# KiCad board demomatrix.kicad_pcb (continued)
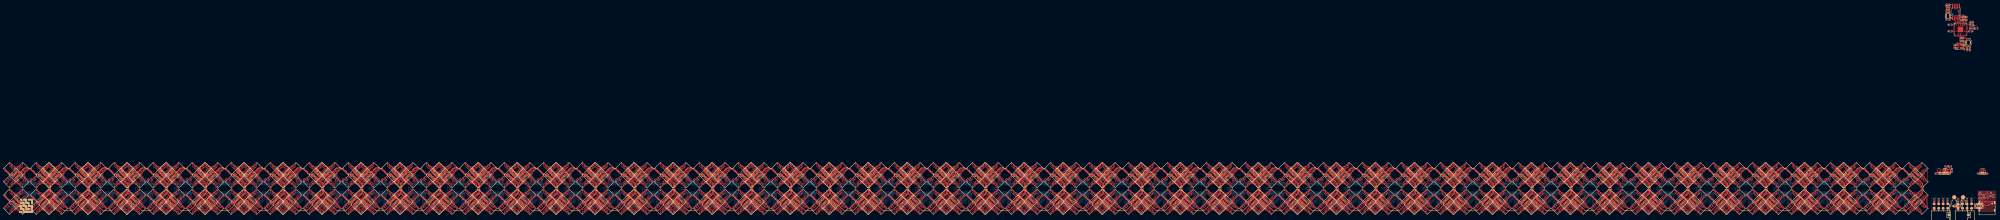
[diagram p0: board, top side]
## Library data of the parts (continued)
LED696 = -: LCSC: C22470444; Manufacturer: HONGLITRONIC); Partnumber: HL-5050RGBW-S1-A27; atopile_address: clusters[43].rows[0].pixels[1].rgbs[3].rgbw.package; atopile_subaddresses: [elec/layout/cluster2x2/cluster2x2.kicad_pcb:rows[0].pixels[1].rgbs[3].rgbw.package, elec/layout/pixel15hl5050/pixel15hl5050.kicad_pcb:rgbs[3].rgbw.package, elec/layout/row2/row2.kicad_pcb:pixels[1].rgbs[3].rgbw.package]
LED697 = -: LCSC: C22470444; Manufacturer: HONGLITRONIC); Partnumber: HL-5050RGBW-S1-A27; atopile_address: clusters[43].rows[1].pixels[0].rgbs[0].rgbw.package; atopile_subaddresses: [elec/layout/cluster2x2/cluster2x2.kicad_pcb:rows[1].pixels[0].rgbs[0].rgbw.package, elec/layout/pixel15hl5050/pixel15hl5050.kicad_pcb:rgbs[0].rgbw.package, elec/layout/row2/row2.kicad_pcb:pixels[0].rgbs[0].rgbw.package]
LED698 = -: LCSC: C22470444; Manufacturer: HONGLITRONIC); Partnumber: HL-5050RGBW-S1-A27; atopile_address: clusters[43].rows[1].pixels[0].rgbs[1].rgbw.package; atopile_subaddresses: [elec/layout/cluster2x2/cluster2x2.kicad_pcb:rows[1].pixels[0].rgbs[1].rgbw.package, elec/layout/pixel15hl5050/pixel15hl5050.kicad_pcb:rgbs[1].rgbw.package, elec/layout/row2/row2.kicad_pcb:pixels[0].rgbs[1].rgbw.package]
LED699 = -: LCSC: C22470444; Manufacturer: HONGLITRONIC); Partnumber: HL-5050RGBW-S1-A27; atopile_address: clusters[43].rows[1].pixels[0].rgbs[2].rgbw.package; atopile_subaddresses: [elec/layout/cluster2x2/cluster2x2.kicad_pcb:rows[1].pixels[0].rgbs[2].rgbw.package, elec/layout/pixel15hl5050/pixel15hl5050.kicad_pcb:rgbs[2].rgbw.package, elec/layout/row2/row2.kicad_pcb:pixels[0].rgbs[2].rgbw.package]
LED700 = -: LCSC: C22470444; Manufacturer: HONGLITRONIC); Partnumber: HL-5050RGBW-S1-A27; atopile_address: clusters[43].rows[1].pixels[0].rgbs[3].rgbw.package; atopile_subaddresses: [elec/layout/cluster2x2/cluster2x2.kicad_pcb:rows[1].pixels[0].rgbs[3].rgbw.package, elec/layout/pixel15hl5050/pixel15hl5050.kicad_pcb:rgbs[3].rgbw.package, elec/layout/row2/row2.kicad_pcb:pixels[0].rgbs[3].rgbw.package]
LED701 = -: LCSC: C22470444; Manufacturer: HONGLITRONIC); Partnumber: HL-5050RGBW-S1-A27; atopile_address: clusters[43].rows[1].pixels[1].rgbs[0].rgbw.package; atopile_subaddresses: [elec/layout/cluster2x2/cluster2x2.kicad_pcb:rows[1].pixels[1].rgbs[0].rgbw.package, elec/layout/pixel15hl5050/pixel15hl5050.kicad_pcb:rgbs[0].rgbw.package, elec/layout/row2/row2.kicad_pcb:pixels[1].rgbs[0].rgbw.package]
LED702 = -: LCSC: C22470444; Manufacturer: HONGLITRONIC); Partnumber: HL-5050RGBW-S1-A27; atopile_address: clusters[43].rows[1].pixels[1].rgbs[1].rgbw.package; atopile_subaddresses: [elec/layout/cluster2x2/cluster2x2.kicad_pcb:rows[1].pixels[1].rgbs[1].rgbw.package, elec/layout/pixel15hl5050/pixel15hl5050.kicad_pcb:rgbs[1].rgbw.package, elec/layout/row2/row2.kicad_pcb:pixels[1].rgbs[1].rgbw.package]
LED703 = -: LCSC: C22470444; Manufacturer: HONGLITRONIC); Partnumber: HL-5050RGBW-S1-A27; atopile_address: clusters[43].rows[1].pixels[1].rgbs[2].rgbw.package; atopile_subaddresses: [elec/layout/cluster2x2/cluster2x2.kicad_pcb:rows[1].pixels[1].rgbs[2].rgbw.package, elec/layout/pixel15hl5050/pixel15hl5050.kicad_pcb:rgbs[2].rgbw.package, elec/layout/row2/row2.kicad_pcb:pixels[1].rgbs[2].rgbw.package]
LED704 = -: LCSC: C22470444; Manufacturer: HONGLITRONIC); Partnumber: HL-5050RGBW-S1-A27; atopile_address: clusters[43].rows[1].pixels[1].rgbs[3].rgbw.package; atopile_subaddresses: [elec/layout/cluster2x2/cluster2x2.kicad_pcb:rows[1].pixels[1].rgbs[3].rgbw.package, elec/layout/pixel15hl5050/pixel15hl5050.kicad_pcb:rgbs[3].rgbw.package, elec/layout/row2/row2.kicad_pcb:pixels[1].rgbs[3].rgbw.package]
LED705 = -: LCSC: C22470444; Manufacturer: HONGLITRONIC); Partnumber: HL-5050RGBW-S1-A27; atopile_address: clusters[44].rows[0].pixels[0].rgbs[0].rgbw.package; atopile_subaddresses: [elec/layout/cluster2x2/cluster2x2.kicad_pcb:rows[0].pixels[0].rgbs[0].rgbw.package, elec/layout/pixel15hl5050/pixel15hl5050.kicad_pcb:rgbs[0].rgbw.package, elec/layout/row2/row2.kicad_pcb:pixels[0].rgbs[0].rgbw.package]
LED706 = -: LCSC: C22470444; Manufacturer: HONGLITRONIC); Partnumber: HL-5050RGBW-S1-A27; atopile_address: clusters[44].rows[0].pixels[0].rgbs[1].rgbw.package; atopile_subaddresses: [elec/layout/cluster2x2/cluster2x2.kicad_pcb:rows[0].pixels[0].rgbs[1].rgbw.package, elec/layout/pixel15hl5050/pixel15hl5050.kicad_pcb:rgbs[1].rgbw.package, elec/layout/row2/row2.kicad_pcb:pixels[0].rgbs[1].rgbw.package]
LED707 = -: LCSC: C22470444; Manufacturer: HONGLITRONIC); Partnumber: HL-5050RGBW-S1-A27; atopile_address: clusters[44].rows[0].pixels[0].rgbs[2].rgbw.package; atopile_subaddresses: [elec/layout/cluster2x2/cluster2x2.kicad_pcb:rows[0].pixels[0].rgbs[2].rgbw.package, elec/layout/pixel15hl5050/pixel15hl5050.kicad_pcb:rgbs[2].rgbw.package, elec/layout/row2/row2.kicad_pcb:pixels[0].rgbs[2].rgbw.package]
LED708 = -: LCSC: C22470444; Manufacturer: HONGLITRONIC); Partnumber: HL-5050RGBW-S1-A27; atopile_address: clusters[44].rows[0].pixels[0].rgbs[3].rgbw.package; atopile_subaddresses: [elec/layout/cluster2x2/cluster2x2.kicad_pcb:rows[0].pixels[0].rgbs[3].rgbw.package, elec/layout/pixel15hl5050/pixel15hl5050.kicad_pcb:rgbs[3].rgbw.package, elec/layout/row2/row2.kicad_pcb:pixels[0].rgbs[3].rgbw.package]
LED709 = -: LCSC: C22470444; Manufacturer: HONGLITRONIC); Partnumber: HL-5050RGBW-S1-A27; atopile_address: clusters[44].rows[0].pixels[1].rgbs[0].rgbw.package; atopile_subaddresses: [elec/layout/cluster2x2/cluster2x2.kicad_pcb:rows[0].pixels[1].rgbs[0].rgbw.package, elec/layout/pixel15hl5050/pixel15hl5050.kicad_pcb:rgbs[0].rgbw.package, elec/layout/row2/row2.kicad_pcb:pixels[1].rgbs[0].rgbw.package]
LED710 = -: LCSC: C22470444; Manufacturer: HONGLITRONIC); Partnumber: HL-5050RGBW-S1-A27; atopile_address: clusters[44].rows[0].pixels[1].rgbs[1].rgbw.package; atopile_subaddresses: [elec/layout/cluster2x2/cluster2x2.kicad_pcb:rows[0].pixels[1].rgbs[1].rgbw.package, elec/layout/pixel15hl5050/pixel15hl5050.kicad_pcb:rgbs[1].rgbw.package, elec/layout/row2/row2.kicad_pcb:pixels[1].rgbs[1].rgbw.package]
LED711 = -: LCSC: C22470444; Manufacturer: HONGLITRONIC); Partnumber: HL-5050RGBW-S1-A27; atopile_address: clusters[44].rows[0].pixels[1].rgbs[2].rgbw.package; atopile_subaddresses: [elec/layout/cluster2x2/cluster2x2.kicad_pcb:rows[0].pixels[1].rgbs[2].rgbw.package, elec/layout/pixel15hl5050/pixel15hl5050.kicad_pcb:rgbs[2].rgbw.package, elec/layout/row2/row2.kicad_pcb:pixels[1].rgbs[2].rgbw.package]
LED712 = -: LCSC: C22470444; Manufacturer: HONGLITRONIC); Partnumber: HL-5050RGBW-S1-A27; atopile_address: clusters[44].rows[0].pixels[1].rgbs[3].rgbw.package; atopile_subaddresses: [elec/layout/cluster2x2/cluster2x2.kicad_pcb:rows[0].pixels[1].rgbs[3].rgbw.package, elec/layout/pixel15hl5050/pixel15hl5050.kicad_pcb:rgbs[3].rgbw.package, elec/layout/row2/row2.kicad_pcb:pixels[1].rgbs[3].rgbw.package]
LED713 = -: LCSC: C22470444; Manufacturer: HONGLITRONIC); Partnumber: HL-5050RGBW-S1-A27; atopile_address: clusters[44].rows[1].pixels[0].rgbs[0].rgbw.package; atopile_subaddresses: [elec/layout/cluster2x2/cluster2x2.kicad_pcb:rows[1].pixels[0].rgbs[0].rgbw.package, elec/layout/pixel15hl5050/pixel15hl5050.kicad_pcb:rgbs[0].rgbw.package, elec/layout/row2/row2.kicad_pcb:pixels[0].rgbs[0].rgbw.package]
LED714 = -: LCSC: C22470444; Manufacturer: HONGLITRONIC); Partnumber: HL-5050RGBW-S1-A27; atopile_address: clusters[44].rows[1].pixels[0].rgbs[1].rgbw.package; atopile_subaddresses: [elec/layout/cluster2x2/cluster2x2.kicad_pcb:rows[1].pixels[0].rgbs[1].rgbw.package, elec/layout/pixel15hl5050/pixel15hl5050.kicad_pcb:rgbs[1].rgbw.package, elec/layout/row2/row2.kicad_pcb:pixels[0].rgbs[1].rgbw.package]
LED715 = -: LCSC: C22470444; Manufacturer: HONGLITRONIC); Partnumber: HL-5050RGBW-S1-A27; atopile_address: clusters[44].rows[1].pixels[0].rgbs[2].rgbw.package; atopile_subaddresses: [elec/layout/cluster2x2/cluster2x2.kicad_pcb:rows[1].pixels[0].rgbs[2].rgbw.package, elec/layout/pixel15hl5050/pixel15hl5050.kicad_pcb:rgbs[2].rgbw.package, elec/layout/row2/row2.kicad_pcb:pixels[0].rgbs[2].rgbw.package]
LED716 = -: LCSC: C22470444; Manufacturer: HONGLITRONIC); Partnumber: HL-5050RGBW-S1-A27; atopile_address: clusters[44].rows[1].pixels[0].rgbs[3].rgbw.package; atopile_subaddresses: [elec/layout/cluster2x2/cluster2x2.kicad_pcb:rows[1].pixels[0].rgbs[3].rgbw.package, elec/layout/pixel15hl5050/pixel15hl5050.kicad_pcb:rgbs[3].rgbw.package, elec/layout/row2/row2.kicad_pcb:pixels[0].rgbs[3].rgbw.package]
LED717 = -: LCSC: C22470444; Manufacturer: HONGLITRONIC); Partnumber: HL-5050RGBW-S1-A27; atopile_address: clusters[44].rows[1].pixels[1].rgbs[0].rgbw.package; atopile_subaddresses: [elec/layout/cluster2x2/cluster2x2.kicad_pcb:rows[1].pixels[1].rgbs[0].rgbw.package, elec/layout/pixel15hl5050/pixel15hl5050.kicad_pcb:rgbs[0].rgbw.package, elec/layout/row2/row2.kicad_pcb:pixels[1].rgbs[0].rgbw.package]
LED718 = -: LCSC: C22470444; Manufacturer: HONGLITRONIC); Partnumber: HL-5050RGBW-S1-A27; atopile_address: clusters[44].rows[1].pixels[1].rgbs[1].rgbw.package; atopile_subaddresses: [elec/layout/cluster2x2/cluster2x2.kicad_pcb:rows[1].pixels[1].rgbs[1].rgbw.package, elec/layout/pixel15hl5050/pixel15hl5050.kicad_pcb:rgbs[1].rgbw.package, elec/layout/row2/row2.kicad_pcb:pixels[1].rgbs[1].rgbw.package]
LED719 = -: LCSC: C22470444; Manufacturer: HONGLITRONIC); Partnumber: HL-5050RGBW-S1-A27; atopile_address: clusters[44].rows[1].pixels[1].rgbs[2].rgbw.package; atopile_subaddresses: [elec/layout/cluster2x2/cluster2x2.kicad_pcb:rows[1].pixels[1].rgbs[2].rgbw.package, elec/layout/pixel15hl5050/pixel15hl5050.kicad_pcb:rgbs[2].rgbw.package, elec/layout/row2/row2.kicad_pcb:pixels[1].rgbs[2].rgbw.package]
LED720 = -: LCSC: C22470444; Manufacturer: HONGLITRONIC); Partnumber: HL-5050RGBW-S1-A27; atopile_address: clusters[44].rows[1].pixels[1].rgbs[3].rgbw.package; atopile_subaddresses: [elec/layout/cluster2x2/cluster2x2.kicad_pcb:rows[1].pixels[1].rgbs[3].rgbw.package, elec/layout/pixel15hl5050/pixel15hl5050.kicad_pcb:rgbs[3].rgbw.package, elec/layout/row2/row2.kicad_pcb:pixels[1].rgbs[3].rgbw.package]
LED721 = -: LCSC: C22470444; Manufacturer: HONGLITRONIC); Partnumber: HL-5050RGBW-S1-A27; atopile_address: clusters[45].rows[0].pixels[0].rgbs[0].rgbw.package; atopile_subaddresses: [elec/layout/cluster2x2/cluster2x2.kicad_pcb:rows[0].pixels[0].rgbs[0].rgbw.package, elec/layout/pixel15hl5050/pixel15hl5050.kicad_pcb:rgbs[0].rgbw.package, elec/layout/row2/row2.kicad_pcb:pixels[0].rgbs[0].rgbw.package]
LED722 = -: LCSC: C22470444; Manufacturer: HONGLITRONIC); Partnumber: HL-5050RGBW-S1-A27; atopile_address: clusters[45].rows[0].pixels[0].rgbs[1].rgbw.package; atopile_subaddresses: [elec/layout/cluster2x2/cluster2x2.kicad_pcb:rows[0].pixels[0].rgbs[1].rgbw.package, elec/layout/pixel15hl5050/pixel15hl5050.kicad_pcb:rgbs[1].rgbw.package, elec/layout/row2/row2.kicad_pcb:pixels[0].rgbs[1].rgbw.package]
LED723 = -: LCSC: C22470444; Manufacturer: HONGLITRONIC); Partnumber: HL-5050RGBW-S1-A27; atopile_address: clusters[45].rows[0].pixels[0].rgbs[2].rgbw.package; atopile_subaddresses: [elec/layout/cluster2x2/cluster2x2.kicad_pcb:rows[0].pixels[0].rgbs[2].rgbw.package, elec/layout/pixel15hl5050/pixel15hl5050.kicad_pcb:rgbs[2].rgbw.package, elec/layout/row2/row2.kicad_pcb:pixels[0].rgbs[2].rgbw.package]
LED724 = -: LCSC: C22470444; Manufacturer: HONGLITRONIC); Partnumber: HL-5050RGBW-S1-A27; atopile_address: clusters[45].rows[0].pixels[0].rgbs[3].rgbw.package; atopile_subaddresses: [elec/layout/cluster2x2/cluster2x2.kicad_pcb:rows[0].pixels[0].rgbs[3].rgbw.package, elec/layout/pixel15hl5050/pixel15hl5050.kicad_pcb:rgbs[3].rgbw.package, elec/layout/row2/row2.kicad_pcb:pixels[0].rgbs[3].rgbw.package]
LED725 = -: LCSC: C22470444; Manufacturer: HONGLITRONIC); Partnumber: HL-5050RGBW-S1-A27; atopile_address: clusters[45].rows[0].pixels[1].rgbs[0].rgbw.package; atopile_subaddresses: [elec/layout/cluster2x2/cluster2x2.kicad_pcb:rows[0].pixels[1].rgbs[0].rgbw.package, elec/layout/pixel15hl5050/pixel15hl5050.kicad_pcb:rgbs[0].rgbw.package, elec/layout/row2/row2.kicad_pcb:pixels[1].rgbs[0].rgbw.package]
LED726 = -: LCSC: C22470444; Manufacturer: HONGLITRONIC); Partnumber: HL-5050RGBW-S1-A27; atopile_address: clusters[45].rows[0].pixels[1].rgbs[1].rgbw.package; atopile_subaddresses: [elec/layout/cluster2x2/cluster2x2.kicad_pcb:rows[0].pixels[1].rgbs[1].rgbw.package, elec/layout/pixel15hl5050/pixel15hl5050.kicad_pcb:rgbs[1].rgbw.package, elec/layout/row2/row2.kicad_pcb:pixels[1].rgbs[1].rgbw.package]
LED727 = -: LCSC: C22470444; Manufacturer: HONGLITRONIC); Partnumber: HL-5050RGBW-S1-A27; atopile_address: clusters[45].rows[0].pixels[1].rgbs[2].rgbw.package; atopile_subaddresses: [elec/layout/cluster2x2/cluster2x2.kicad_pcb:rows[0].pixels[1].rgbs[2].rgbw.package, elec/layout/pixel15hl5050/pixel15hl5050.kicad_pcb:rgbs[2].rgbw.package, elec/layout/row2/row2.kicad_pcb:pixels[1].rgbs[2].rgbw.package]
LED728 = -: LCSC: C22470444; Manufacturer: HONGLITRONIC); Partnumber: HL-5050RGBW-S1-A27; atopile_address: clusters[45].rows[0].pixels[1].rgbs[3].rgbw.package; atopile_subaddresses: [elec/layout/cluster2x2/cluster2x2.kicad_pcb:rows[0].pixels[1].rgbs[3].rgbw.package, elec/layout/pixel15hl5050/pixel15hl5050.kicad_pcb:rgbs[3].rgbw.package, elec/layout/row2/row2.kicad_pcb:pixels[1].rgbs[3].rgbw.package]
LED729 = -: LCSC: C22470444; Manufacturer: HONGLITRONIC); Partnumber: HL-5050RGBW-S1-A27; atopile_address: clusters[45].rows[1].pixels[0].rgbs[0].rgbw.package; atopile_subaddresses: [elec/layout/cluster2x2/cluster2x2.kicad_pcb:rows[1].pixels[0].rgbs[0].rgbw.package, elec/layout/pixel15hl5050/pixel15hl5050.kicad_pcb:rgbs[0].rgbw.package, elec/layout/row2/row2.kicad_pcb:pixels[0].rgbs[0].rgbw.package]
LED730 = -: LCSC: C22470444; Manufacturer: HONGLITRONIC); Partnumber: HL-5050RGBW-S1-A27; atopile_address: clusters[45].rows[1].pixels[0].rgbs[1].rgbw.package; atopile_subaddresses: [elec/layout/cluster2x2/cluster2x2.kicad_pcb:rows[1].pixels[0].rgbs[1].rgbw.package, elec/layout/pixel15hl5050/pixel15hl5050.kicad_pcb:rgbs[1].rgbw.package, elec/layout/row2/row2.kicad_pcb:pixels[0].rgbs[1].rgbw.package]
LED731 = -: LCSC: C22470444; Manufacturer: HONGLITRONIC); Partnumber: HL-5050RGBW-S1-A27; atopile_address: clusters[45].rows[1].pixels[0].rgbs[2].rgbw.package; atopile_subaddresses: [elec/layout/cluster2x2/cluster2x2.kicad_pcb:rows[1].pixels[0].rgbs[2].rgbw.package, elec/layout/pixel15hl5050/pixel15hl5050.kicad_pcb:rgbs[2].rgbw.package, elec/layout/row2/row2.kicad_pcb:pixels[0].rgbs[2].rgbw.package]
LED732 = -: LCSC: C22470444; Manufacturer: HONGLITRONIC); Partnumber: HL-5050RGBW-S1-A27; atopile_address: clusters[45].rows[1].pixels[0].rgbs[3].rgbw.package; atopile_subaddresses: [elec/layout/cluster2x2/cluster2x2.kicad_pcb:rows[1].pixels[0].rgbs[3].rgbw.package, elec/layout/pixel15hl5050/pixel15hl5050.kicad_pcb:rgbs[3].rgbw.package, elec/layout/row2/row2.kicad_pcb:pixels[0].rgbs[3].rgbw.package]
LED733 = -: LCSC: C22470444; Manufacturer: HONGLITRONIC); Partnumber: HL-5050RGBW-S1-A27; atopile_address: clusters[45].rows[1].pixels[1].rgbs[0].rgbw.package; atopile_subaddresses: [elec/layout/cluster2x2/cluster2x2.kicad_pcb:rows[1].pixels[1].rgbs[0].rgbw.package, elec/layout/pixel15hl5050/pixel15hl5050.kicad_pcb:rgbs[0].rgbw.package, elec/layout/row2/row2.kicad_pcb:pixels[1].rgbs[0].rgbw.package]
LED734 = -: LCSC: C22470444; Manufacturer: HONGLITRONIC); Partnumber: HL-5050RGBW-S1-A27; atopile_address: clusters[45].rows[1].pixels[1].rgbs[1].rgbw.package; atopile_subaddresses: [elec/layout/cluster2x2/cluster2x2.kicad_pcb:rows[1].pixels[1].rgbs[1].rgbw.package, elec/layout/pixel15hl5050/pixel15hl5050.kicad_pcb:rgbs[1].rgbw.package, elec/layout/row2/row2.kicad_pcb:pixels[1].rgbs[1].rgbw.package]
LED735 = -: LCSC: C22470444; Manufacturer: HONGLITRONIC); Partnumber: HL-5050RGBW-S1-A27; atopile_address: clusters[45].rows[1].pixels[1].rgbs[2].rgbw.package; atopile_subaddresses: [elec/layout/cluster2x2/cluster2x2.kicad_pcb:rows[1].pixels[1].rgbs[2].rgbw.package, elec/layout/pixel15hl5050/pixel15hl5050.kicad_pcb:rgbs[2].rgbw.package, elec/layout/row2/row2.kicad_pcb:pixels[1].rgbs[2].rgbw.package]
LED736 = -: LCSC: C22470444; Manufacturer: HONGLITRONIC); Partnumber: HL-5050RGBW-S1-A27; atopile_address: clusters[45].rows[1].pixels[1].rgbs[3].rgbw.package; atopile_subaddresses: [elec/layout/cluster2x2/cluster2x2.kicad_pcb:rows[1].pixels[1].rgbs[3].rgbw.package, elec/layout/pixel15hl5050/pixel15hl5050.kicad_pcb:rgbs[3].rgbw.package, elec/layout/row2/row2.kicad_pcb:pixels[1].rgbs[3].rgbw.package]
LED737 = -: LCSC: C22470444; Manufacturer: HONGLITRONIC); Partnumber: HL-5050RGBW-S1-A27; atopile_address: clusters[46].rows[0].pixels[0].rgbs[0].rgbw.package; atopile_subaddresses: [elec/layout/cluster2x2/cluster2x2.kicad_pcb:rows[0].pixels[0].rgbs[0].rgbw.package, elec/layout/pixel15hl5050/pixel15hl5050.kicad_pcb:rgbs[0].rgbw.package, elec/layout/row2/row2.kicad_pcb:pixels[0].rgbs[0].rgbw.package]
LED738 = -: LCSC: C22470444; Manufacturer: HONGLITRONIC); Partnumber: HL-5050RGBW-S1-A27; atopile_address: clusters[46].rows[0].pixels[0].rgbs[1].rgbw.package; atopile_subaddresses: [elec/layout/cluster2x2/cluster2x2.kicad_pcb:rows[0].pixels[0].rgbs[1].rgbw.package, elec/layout/pixel15hl5050/pixel15hl5050.kicad_pcb:rgbs[1].rgbw.package, elec/layout/row2/row2.kicad_pcb:pixels[0].rgbs[1].rgbw.package]
LED739 = -: LCSC: C22470444; Manufacturer: HONGLITRONIC); Partnumber: HL-5050RGBW-S1-A27; atopile_address: clusters[46].rows[0].pixels[0].rgbs[2].rgbw.package; atopile_subaddresses: [elec/layout/cluster2x2/cluster2x2.kicad_pcb:rows[0].pixels[0].rgbs[2].rgbw.package, elec/layout/pixel15hl5050/pixel15hl5050.kicad_pcb:rgbs[2].rgbw.package, elec/layout/row2/row2.kicad_pcb:pixels[0].rgbs[2].rgbw.package]
LED740 = -: LCSC: C22470444; Manufacturer: HONGLITRONIC); Partnumber: HL-5050RGBW-S1-A27; atopile_address: clusters[46].rows[0].pixels[0].rgbs[3].rgbw.package; atopile_subaddresses: [elec/layout/cluster2x2/cluster2x2.kicad_pcb:rows[0].pixels[0].rgbs[3].rgbw.package, elec/layout/pixel15hl5050/pixel15hl5050.kicad_pcb:rgbs[3].rgbw.package, elec/layout/row2/row2.kicad_pcb:pixels[0].rgbs[3].rgbw.package]
LED741 = -: LCSC: C22470444; Manufacturer: HONGLITRONIC); Partnumber: HL-5050RGBW-S1-A27; atopile_address: clusters[46].rows[0].pixels[1].rgbs[0].rgbw.package; atopile_subaddresses: [elec/layout/cluster2x2/cluster2x2.kicad_pcb:rows[0].pixels[1].rgbs[0].rgbw.package, elec/layout/pixel15hl5050/pixel15hl5050.kicad_pcb:rgbs[0].rgbw.package, elec/layout/row2/row2.kicad_pcb:pixels[1].rgbs[0].rgbw.package]
LED742 = -: LCSC: C22470444; Manufacturer: HONGLITRONIC); Partnumber: HL-5050RGBW-S1-A27; atopile_address: clusters[46].rows[0].pixels[1].rgbs[1].rgbw.package; atopile_subaddresses: [elec/layout/cluster2x2/cluster2x2.kicad_pcb:rows[0].pixels[1].rgbs[1].rgbw.package, elec/layout/pixel15hl5050/pixel15hl5050.kicad_pcb:rgbs[1].rgbw.package, elec/layout/row2/row2.kicad_pcb:pixels[1].rgbs[1].rgbw.package]
LED743 = -: LCSC: C22470444; Manufacturer: HONGLITRONIC); Partnumber: HL-5050RGBW-S1-A27; atopile_address: clusters[46].rows[0].pixels[1].rgbs[2].rgbw.package; atopile_subaddresses: [elec/layout/cluster2x2/cluster2x2.kicad_pcb:rows[0].pixels[1].rgbs[2].rgbw.package, elec/layout/pixel15hl5050/pixel15hl5050.kicad_pcb:rgbs[2].rgbw.package, elec/layout/row2/row2.kicad_pcb:pixels[1].rgbs[2].rgbw.package]
LED744 = -: LCSC: C22470444; Manufacturer: HONGLITRONIC); Partnumber: HL-5050RGBW-S1-A27; atopile_address: clusters[46].rows[0].pixels[1].rgbs[3].rgbw.package; atopile_subaddresses: [elec/layout/cluster2x2/cluster2x2.kicad_pcb:rows[0].pixels[1].rgbs[3].rgbw.package, elec/layout/pixel15hl5050/pixel15hl5050.kicad_pcb:rgbs[3].rgbw.package, elec/layout/row2/row2.kicad_pcb:pixels[1].rgbs[3].rgbw.package]
LED745 = -: LCSC: C22470444; Manufacturer: HONGLITRONIC); Partnumber: HL-5050RGBW-S1-A27; atopile_address: clusters[46].rows[1].pixels[0].rgbs[0].rgbw.package; atopile_subaddresses: [elec/layout/cluster2x2/cluster2x2.kicad_pcb:rows[1].pixels[0].rgbs[0].rgbw.package, elec/layout/pixel15hl5050/pixel15hl5050.kicad_pcb:rgbs[0].rgbw.package, elec/layout/row2/row2.kicad_pcb:pixels[0].rgbs[0].rgbw.package]
LED746 = -: LCSC: C22470444; Manufacturer: HONGLITRONIC); Partnumber: HL-5050RGBW-S1-A27; atopile_address: clusters[46].rows[1].pixels[0].rgbs[1].rgbw.package; atopile_subaddresses: [elec/layout/cluster2x2/cluster2x2.kicad_pcb:rows[1].pixels[0].rgbs[1].rgbw.package, elec/layout/pixel15hl5050/pixel15hl5050.kicad_pcb:rgbs[1].rgbw.package, elec/layout/row2/row2.kicad_pcb:pixels[0].rgbs[1].rgbw.package]
LED747 = -: LCSC: C22470444; Manufacturer: HONGLITRONIC); Partnumber: HL-5050RGBW-S1-A27; atopile_address: clusters[46].rows[1].pixels[0].rgbs[2].rgbw.package; atopile_subaddresses: [elec/layout/cluster2x2/cluster2x2.kicad_pcb:rows[1].pixels[0].rgbs[2].rgbw.package, elec/layout/pixel15hl5050/pixel15hl5050.kicad_pcb:rgbs[2].rgbw.package, elec/layout/row2/row2.kicad_pcb:pixels[0].rgbs[2].rgbw.package]
LED748 = -: LCSC: C22470444; Manufacturer: HONGLITRONIC); Partnumber: HL-5050RGBW-S1-A27; atopile_address: clusters[46].rows[1].pixels[0].rgbs[3].rgbw.package; atopile_subaddresses: [elec/layout/cluster2x2/cluster2x2.kicad_pcb:rows[1].pixels[0].rgbs[3].rgbw.package, elec/layout/pixel15hl5050/pixel15hl5050.kicad_pcb:rgbs[3].rgbw.package, elec/layout/row2/row2.kicad_pcb:pixels[0].rgbs[3].rgbw.package]
LED749 = -: LCSC: C22470444; Manufacturer: HONGLITRONIC); Partnumber: HL-5050RGBW-S1-A27; atopile_address: clusters[46].rows[1].pixels[1].rgbs[0].rgbw.package; atopile_subaddresses: [elec/layout/cluster2x2/cluster2x2.kicad_pcb:rows[1].pixels[1].rgbs[0].rgbw.package, elec/layout/pixel15hl5050/pixel15hl5050.kicad_pcb:rgbs[0].rgbw.package, elec/layout/row2/row2.kicad_pcb:pixels[1].rgbs[0].rgbw.package]
LED750 = -: LCSC: C22470444; Manufacturer: HONGLITRONIC); Partnumber: HL-5050RGBW-S1-A27; atopile_address: clusters[46].rows[1].pixels[1].rgbs[1].rgbw.package; atopile_subaddresses: [elec/layout/cluster2x2/cluster2x2.kicad_pcb:rows[1].pixels[1].rgbs[1].rgbw.package, elec/layout/pixel15hl5050/pixel15hl5050.kicad_pcb:rgbs[1].rgbw.package, elec/layout/row2/row2.kicad_pcb:pixels[1].rgbs[1].rgbw.package]
LED751 = -: LCSC: C22470444; Manufacturer: HONGLITRONIC); Partnumber: HL-5050RGBW-S1-A27; atopile_address: clusters[46].rows[1].pixels[1].rgbs[2].rgbw.package; atopile_subaddresses: [elec/layout/cluster2x2/cluster2x2.kicad_pcb:rows[1].pixels[1].rgbs[2].rgbw.package, elec/layout/pixel15hl5050/pixel15hl5050.kicad_pcb:rgbs[2].rgbw.package, elec/layout/row2/row2.kicad_pcb:pixels[1].rgbs[2].rgbw.package]
LED752 = -: LCSC: C22470444; Manufacturer: HONGLITRONIC); Partnumber: HL-5050RGBW-S1-A27; atopile_address: clusters[46].rows[1].pixels[1].rgbs[3].rgbw.package; atopile_subaddresses: [elec/layout/cluster2x2/cluster2x2.kicad_pcb:rows[1].pixels[1].rgbs[3].rgbw.package, elec/layout/pixel15hl5050/pixel15hl5050.kicad_pcb:rgbs[3].rgbw.package, elec/layout/row2/row2.kicad_pcb:pixels[1].rgbs[3].rgbw.package]
LED753 = -: LCSC: C22470444; Manufacturer: HONGLITRONIC); Partnumber: HL-5050RGBW-S1-A27; atopile_address: clusters[47].rows[0].pixels[0].rgbs[0].rgbw.package; atopile_subaddresses: [elec/layout/cluster2x2/cluster2x2.kicad_pcb:rows[0].pixels[0].rgbs[0].rgbw.package, elec/layout/pixel15hl5050/pixel15hl5050.kicad_pcb:rgbs[0].rgbw.package, elec/layout/row2/row2.kicad_pcb:pixels[0].rgbs[0].rgbw.package]
LED754 = -: LCSC: C22470444; Manufacturer: HONGLITRONIC); Partnumber: HL-5050RGBW-S1-A27; atopile_address: clusters[47].rows[0].pixels[0].rgbs[1].rgbw.package; atopile_subaddresses: [elec/layout/cluster2x2/cluster2x2.kicad_pcb:rows[0].pixels[0].rgbs[1].rgbw.package, elec/layout/pixel15hl5050/pixel15hl5050.kicad_pcb:rgbs[1].rgbw.package, elec/layout/row2/row2.kicad_pcb:pixels[0].rgbs[1].rgbw.package]
LED755 = -: LCSC: C22470444; Manufacturer: HONGLITRONIC); Partnumber: HL-5050RGBW-S1-A27; atopile_address: clusters[47].rows[0].pixels[0].rgbs[2].rgbw.package; atopile_subaddresses: [elec/layout/cluster2x2/cluster2x2.kicad_pcb:rows[0].pixels[0].rgbs[2].rgbw.package, elec/layout/pixel15hl5050/pixel15hl5050.kicad_pcb:rgbs[2].rgbw.package, elec/layout/row2/row2.kicad_pcb:pixels[0].rgbs[2].rgbw.package]
LED756 = -: LCSC: C22470444; Manufacturer: HONGLITRONIC); Partnumber: HL-5050RGBW-S1-A27; atopile_address: clusters[47].rows[0].pixels[0].rgbs[3].rgbw.package; atopile_subaddresses: [elec/layout/cluster2x2/cluster2x2.kicad_pcb:rows[0].pixels[0].rgbs[3].rgbw.package, elec/layout/pixel15hl5050/pixel15hl5050.kicad_pcb:rgbs[3].rgbw.package, elec/layout/row2/row2.kicad_pcb:pixels[0].rgbs[3].rgbw.package]
LED757 = -: LCSC: C22470444; Manufacturer: HONGLITRONIC); Partnumber: HL-5050RGBW-S1-A27; atopile_address: clusters[47].rows[0].pixels[1].rgbs[0].rgbw.package; atopile_subaddresses: [elec/layout/cluster2x2/cluster2x2.kicad_pcb:rows[0].pixels[1].rgbs[0].rgbw.package, elec/layout/pixel15hl5050/pixel15hl5050.kicad_pcb:rgbs[0].rgbw.package, elec/layout/row2/row2.kicad_pcb:pixels[1].rgbs[0].rgbw.package]